# KiCad board KlokTHREEjr_old.kicad_pcb (continued)
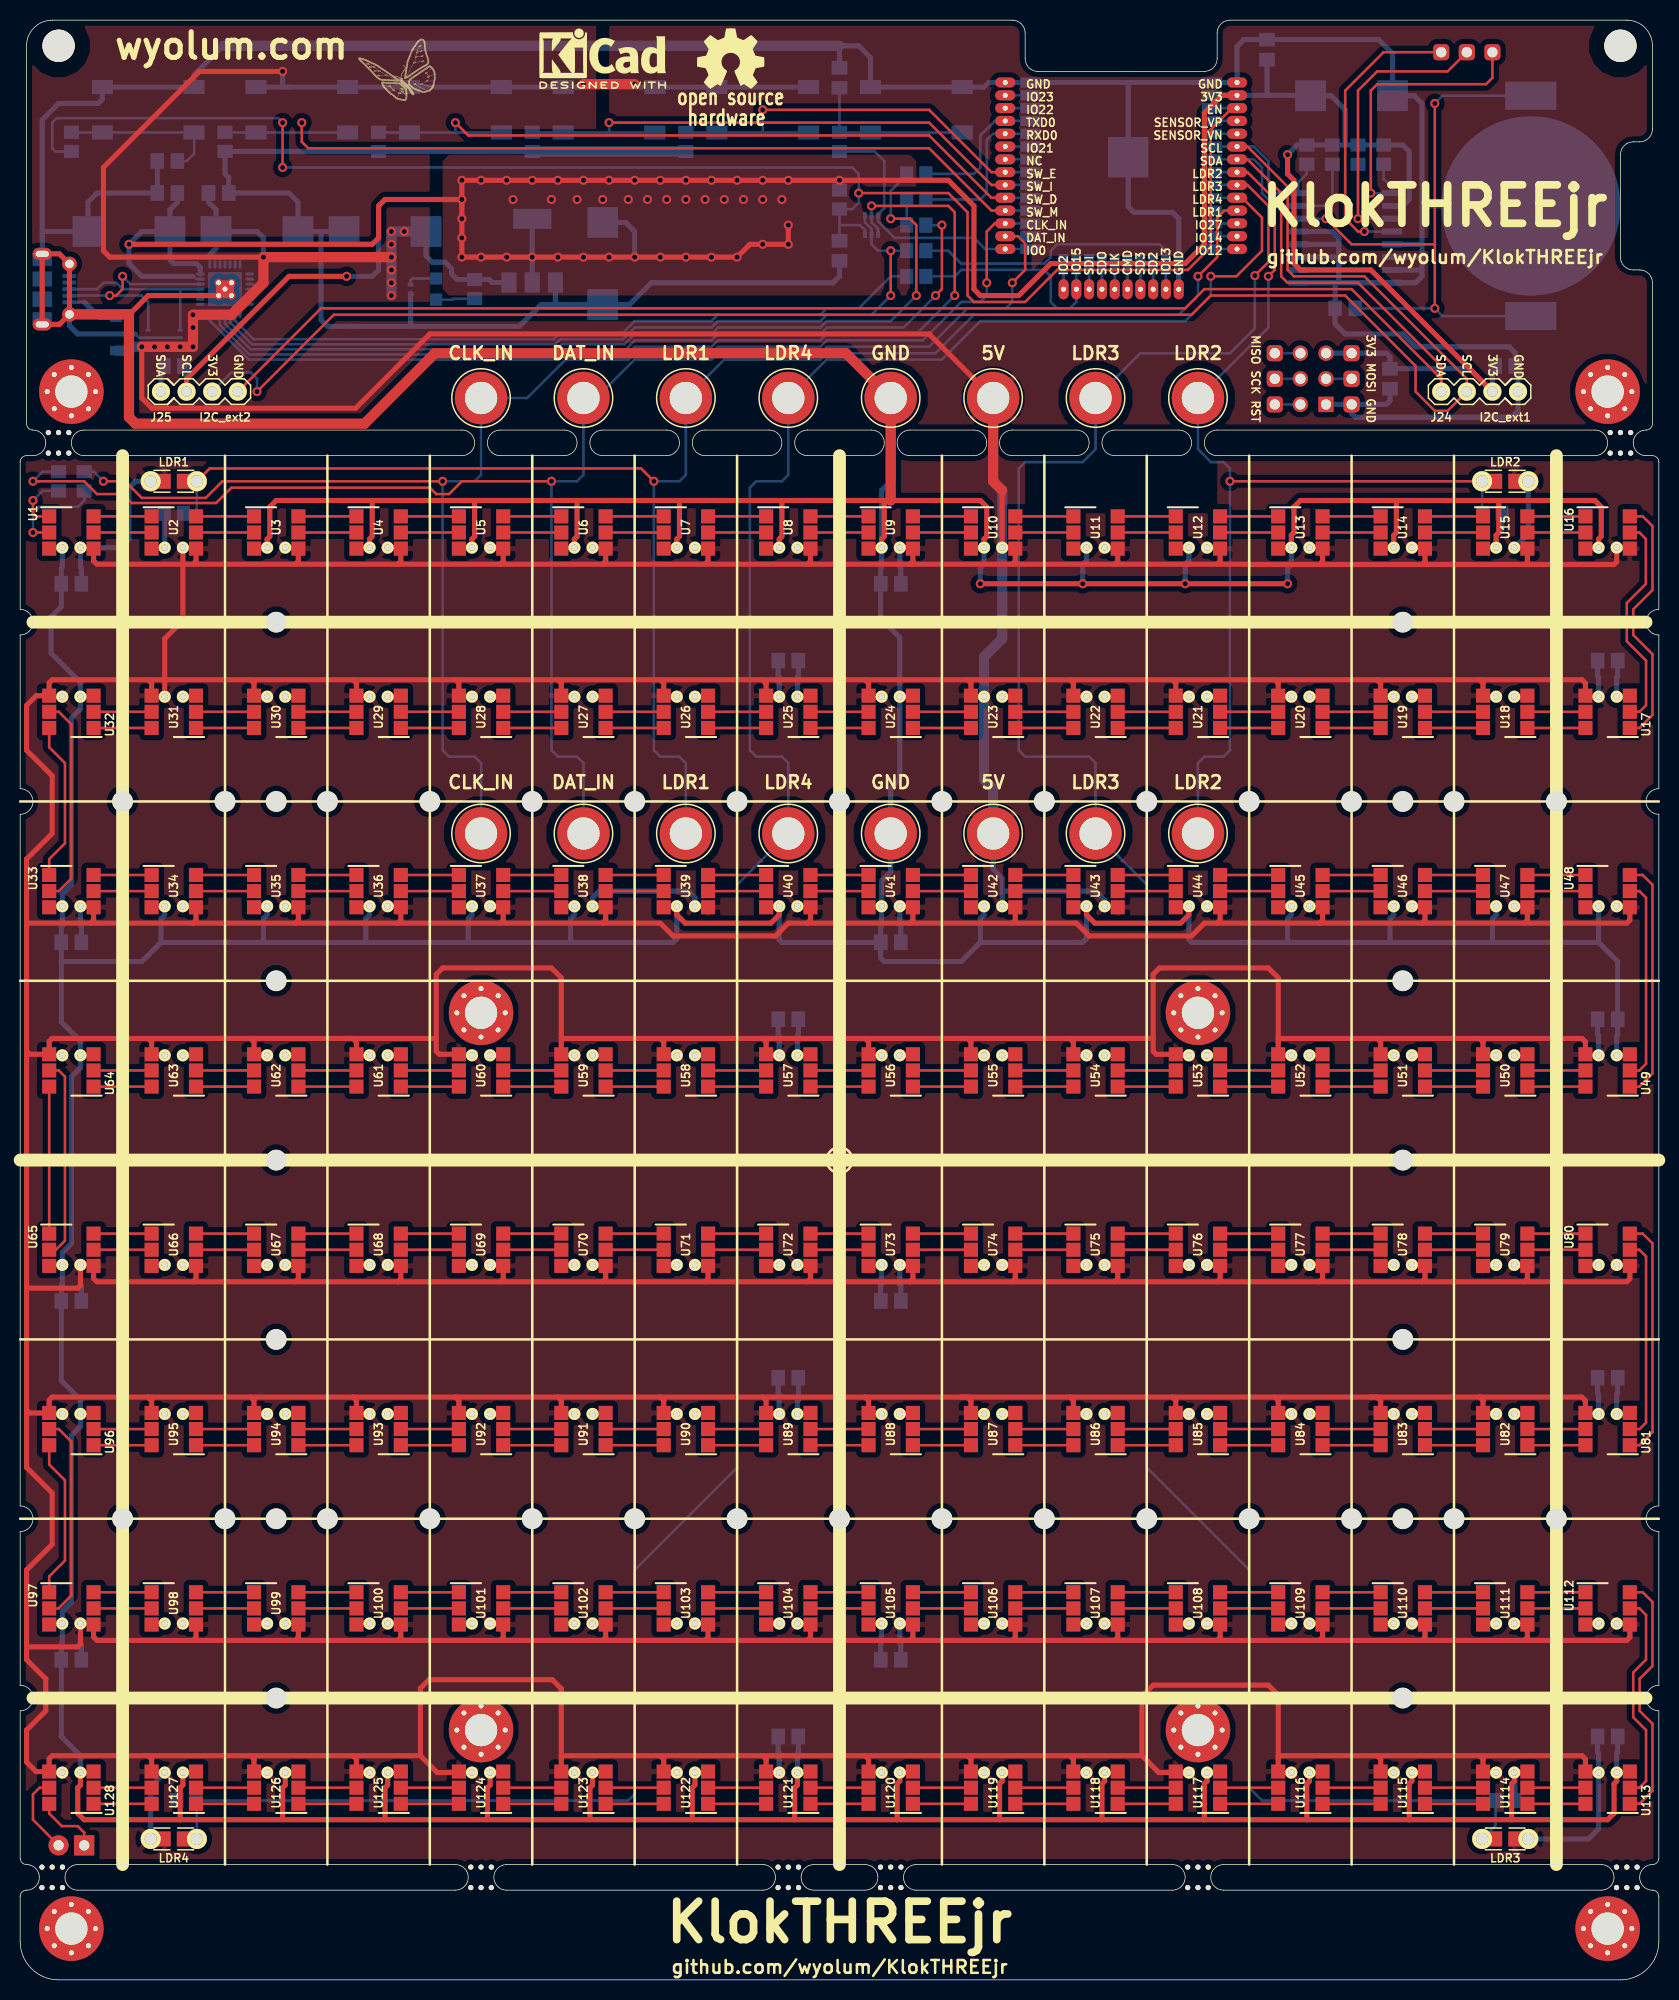
[diagram p0: board, top side]
## Routing (per net, layer and track width the routed paths; a pad name or vN(x,y) marks a point on that pad's centre or on a via; arc(x,y) is an arc through that point) (continued)
/CI_A: length 11
  Top w0.254: v1(1.27,143.51) U1.2
  Bottom w0.254: v1(1.27,143.51) 1.27,145.42 1.91,146.05 5.72,146.05 6.35,146.69 R2.2 6.35,146.73 6.4,146.69
/CI_B: length 21.8
  Top w0.254: U17.2 160.63,125.73 161.29,126.39 161.29,130.81 159.39,132.72 159.39,136.53 161.27,138.41 161.27,142.88 160.63,143.51 U16.5
/CI_C: length 20.7
  Top w0.254: U33.2 3.83,107.95 5.08,109.2 5.08,124.48 3.83,125.73 U32.5
/CI_D: length 20.2
  Top w0.254: U48.5 160.63,107.95 161.29,107.29 161.29,90.83 160.63,90.17 U49.2
/CI_E: length 20
  Top w0.254: U65.2 3.55,72.39 4.45,73.29 4.45,89.56 3.83,90.17 U64.5
/CI_F: length 20.2
  Top w0.254: U81.2 160.66,54.61 161.29,55.25 161.29,71.73 160.63,72.39 U80.5
/CI_G: length 20.7
  Top w0.254: U96.5 3.83,54.61 5.08,53.36 5.08,38.1 3.81,36.83 U97.2
/CI_H: length 21.3
  Top w0.254: U112.5 160.63,36.83 161.29,36.17 161.29,31.75 160.02,30.48 160.02,26.04 161.29,24.77 161.29,19.71 160.63,19.05 U113.2
/CLK: length 2.5
  Bottom w0.254: U129.20 U129.20
/CLK_IN: length 152.4
  Top w0.254: v1(8.26,148.59) 10.41,148.59 12.06,146.94 18.41,146.94 20.07,148.59 v1(41.91,148.59) ; U129.27 96.69,174.16 95.89,173.36 v1(95.89,168.28)
  Bottom w0.254: R2.1 7.3,149.54 v1(8.26,148.59) ; J9.1 45.72,120.65 45.09,121.29 42.54,121.29 41.91,121.92 v1(41.91,148.59) 45.09,148.59 45.72,149.23 J1.1 50.29,156.85 54.1,160.66 60.32,160.66 60.96,161.29 68.58,161.29 69.22,161.93 79.38,161.93 80.01,162.56 89.53,162.56 93.34,166.37 95.25,166.37 95.89,167 v1(95.89,168.28) ; U129.27 U129.27
/CLK_OUT: length 8
  Top w0.254: 3.81,13.34 1.27,15.88 1.27,18.39 1.93,19.05 U128.5
/CMD: length 2.5
  Bottom w0.254: U129.19 U129.19
/DAT_IN: length 167.1
  Top w0.254: U129.26 98.97,172.89 99.7,172.17 99.7,169.55 v1(98.43,168.28) ; v1(1.27,148.59) 6.35,148.59 7.62,147.32 10.16,147.32 11.05,146.43 19.43,146.43 20.96,147.96 40.64,147.96 41.27,147.32 42.54,147.32 43.82,148.59 v1(52.71,148.59)
  Bottom w0.254: v1(1.27,148.59) 2.22,149.54 R1.1 ; v1(1.27,148.59) 5.08,148.59 ; v1(1.27,148.59) 1.91,148.59 ; J10.1 55.88,120.65 55.24,121.29 53.34,121.29 52.71,121.92 v1(52.71,148.59) 55.24,148.59 55.88,149.23 J2.1 57.15,156.85 60.96,160.66 68.58,160.66 69.22,161.29 79.38,161.29 80.01,161.93 90.17,161.93 93.98,165.74 97.79,165.74 98.43,166.37 v1(98.43,168.28) ; U129.26 U129.26
/DAT_OUT: length 6.5
  Top w0.254: U128.6 2.88,16.5 4.14,15.24 5.72,15.24 6.35,14.61 P2.1
/DI_A: length 5.9
  Top w0.254: v1(1.27,146.69) 1.27,145.42 1.58,145.11 U1.1
  Bottom w0.254: v1(1.27,146.69) 2.22,147.64 R1.2
/DI_B: length 25.7
  Top w0.254: U17.1 160.63,124.13 161.93,125.42 161.93,131.44 160.02,133.35 160.02,135.89 161.93,137.8 161.93,144.15 160.96,145.11 U16.6
/DI_C: length 15.9
  Top w0.254: U32.6 2.88,122.22 4.45,120.65 4.45,112.69 2.88,111.12 U33.1
/DI_D: length 24.1
  Top w0.254: U49.1 160.63,88.57 161.93,89.86 161.93,108.59 160.96,109.55 U48.6
/DI_E: length 14.6
  Top w0.254: U64.6 U65.1
/DI_F: length 24.1
  Top w0.254: U80.6 160.96,73.99 161.93,73.03 161.93,54.3 160.63,53.01 U81.1
/DI_G: length 15.9
  Top w0.254: U97.1 2.88,40.01 4.45,41.57 4.45,49.53 2.88,51.1 U96.6
/DI_H: length 25.2
  Top w0.254: U112.6 160.96,38.43 161.93,37.47 161.93,31.12 160.66,29.85 160.66,26.67 161.93,25.4 161.93,18.74 160.63,17.45 U113.1
/DTR: length 98.7
  Top w0.254: v1(84.46,175.9) 92.08,175.9 92.71,175.26 v1(92.71,167)
  Bottom w0.254: Q1.4 85.11,173.62 84.46,174.27 Q1.2 v1(84.46,175.9) ; v1(92.71,167) 88.9,163.19 80.01,163.19 79.38,162.56 69.22,162.56 68.58,161.93 60.96,161.93 60.2,161.16 53.98,161.16 53.47,160.66 22.68,160.66 18.82,164.51 U132.28
/EN: length 164.5
  Top w0.254: U129.3 120.22,185.59 118.11,183.48 118.11,171.82 115.83,169.54 102.87,169.54 99.7,166.37 94.62,166.37 93.98,167 93.98,175.26 92.08,177.17 v1(83.19,177.17) ; v1(26.04,179.71) v1(26.04,184.15)
  Bottom w0.254: 81.92,175.58 82.55,175.58 83.19,176.21 v1(83.19,177.17) 83.19,179.07 82.55,179.71 v1(26.04,179.71) ; U129.3 U129.3 ; R3.2 81.28,173.99 ; 81.28,173.99 C19.1 ; 81.28,173.99 83.31,173.99 83.81,173.5 Q1.6 ; v1(26.04,184.15) 25.59,184.6 3.62,184.6 3.18,184.15 3.18,181.61 3.49,181.29 R16.1
/esp_pwr_uart/CTS: length 70.6
  Bottom w0.254: U132.23 21.32,164.51 23.14,162.69 52.96,162.69 53.47,163.19 59.69,163.19 60.96,164.47 68.58,164.47 69.22,165.1 79.38,165.1 80.01,165.74 83.19,165.74 86.36,168.91 R19.2
/esp_pwr_uart/RTS: length 80.6
  Top w0.254: v1(86.36,171.45) v1(86.36,167)
  Bottom w0.254: Q1.1 83.81,174.27 84.46,173.62 Q1.5 84.46,172.09 85.09,171.45 v1(86.36,171.45) R20.2 ; v1(86.36,167) 84.46,165.1 80.01,165.1 79.38,164.47 69.22,164.47 68.58,163.83 60.96,163.83 59.82,162.69 53.59,162.69 53.09,162.18 22.99,162.18 20.82,164.35 U132.24
/esp_pwr_uart/RXD: length 87.7
  Top w0.254: v1(86.36,174.62) 88.27,174.62 88.9,173.99 v1(88.9,167)
  Bottom w0.254: R21.2 87.95,178.97 86.36,177.38 v1(86.36,174.62) ; U132.25 20.32,164.21 22.86,161.67 53.21,161.67 53.72,162.18 59.94,162.18 60.96,163.19 68.58,163.19 69.22,163.83 79.38,163.83 80.01,164.47 86.36,164.47 v1(88.9,167)
/esp_pwr_uart/TXD: length 2.5
  Bottom w0.254: R23.2 R22.1
/esp_pwr_uart/USB_D+: length 17.6
  Bottom w0.254: 15.88,167.64 10.16,167.64 9.52,168.28 8.26,168.28 7.62,167.64 P1.3 ; 15.88,167.64 D3.2 ; 15.88,167.64 U132.4
/esp_pwr_uart/USB_D-: length 21.7
  Top w0.254: v1(8.89,167) 9.52,167 10.16,167.64 v1(10.16,168.91)
  Bottom w0.254: v1(10.16,168.91) 10.93,168.14 U132.5 ; P1.2 5.82,166.99 5.83,167 v1(8.89,167) 12.06,167 12.7,166.37 D4.2
/IO0: length 27.3
  Bottom w0.254: U129.25 U129.25 95.72,171.62 94.62,172.72 86.74,172.72 85.11,174.36 Q1.3 85.11,175.06 85.72,175.69 85.72,180.34 84.77,181.29 R18.1
/IO2: length 2.5
  Bottom w0.254: U129.24 U129.24
/IO12: length 2.5
  Bottom w0.254: U129.14 U129.14
/IO13: length 29.6
  Bottom w0.254: R20.1 92.08,171.45 93.34,170.18 101.6,170.18 102.24,170.81 102.24,171.45 102.87,172.09 113.03,172.09 113.67,171.45 U129.16 U129.16
/IO14: length 2.5
  Bottom w0.254: U129.13 U129.13
/IO15: length 22.3
  Bottom w0.254: U129.23 U129.23 104.78,166.37 104.14,165.74 102.87,165.74 102.24,166.37 102.24,168.91 101.6,169.55 93.34,169.55 92.71,168.91 R19.1
/IO21: length 2.5
  Bottom w0.254: U129.33 U129.33
/IO22: length 2.5
  Bottom w0.254: U129.36 U129.36
/IO23: length 2.5
  Bottom w0.254: U129.37 U129.37
/IO27: length 2.5
  Bottom w0.254: U129.12 U129.12
/LDR1: length 168.7
  Top w0.254: v1(116.84,168.91) 118.75,170.81 118.75,174.71 119.47,175.43 U129.11 ; v1(62.87,148.59) 61.6,149.86 18.8,149.86 LDR1.2 LDR1.2
  Bottom w0.254: LDR1.2 17.53,145.84 17.1,145.42 R12.1 ; U129.11 U129.11 ; J11.1 66.04,120.65 65.41,121.29 63.5,121.29 62.87,121.92 v1(62.87,148.59) 65.41,148.59 66.04,149.23 J3.1 69.85,160.66 79.38,160.66 80.01,161.29 90.81,161.29 94.62,165.1 114.94,165.1 116.84,167 v1(116.84,168.91)
/LDR2: length 107.4
  Top w0.254: LDR2.2 LDR2.2 v1(120.02,148.59) ; U129.8 121.75,179.24 124.46,176.53 124.46,169.55 v1(123.83,168.91)
  Bottom w0.254: R13.1 145.03,145.48 LDR2.2 ; J12.1 116.84,120.65 117.47,121.29 119.38,121.29 120.02,121.92 v1(120.02,148.59) 120.02,149.86 119.38,150.5 118.11,150.5 116.84,151.77 J4.1 123.83,163.83 v1(123.83,168.91) ; U129.8 U129.8
/LDR3: length 226
  Top w0.254: v1(122.48,168.98) 123.83,170.33 123.83,175.9 121.75,177.97 U129.9 ; LDR3.2 LDR3.2
  Bottom w0.254: LDR3.2 146.37,15.3 R14.1 123.19,17.78 121.92,19.05 121.92,40.64 111.76,50.8 111.76,108.59 J13.1 106.68,120.65 106.05,121.29 99.7,121.29 99.06,121.92 99.06,149.86 99.7,150.5 105.41,150.5 106.68,151.77 J5.1 111.12,161.29 120.02,161.29 122.48,163.76 v1(122.48,168.98) ; U129.9 U129.9
/LDR4: length 263
  Top w0.254: U129.10 121.22,176.7 123.19,174.73 123.19,171.45 120.65,168.91 v1(118.11,168.91) ; LDR4.2 LDR4.2
  Bottom w0.254: LDR4.2 17.53,17.72 R15.1 60.32,17.78 60.96,18.42 60.96,40.64 71.12,50.8 71.12,108.59 J14.1 76.2,120.65 75.56,121.29 73.03,121.29 72.39,121.92 72.39,147.96 73.03,148.59 75.56,148.59 76.2,149.23 J6.1 80.01,160.66 91.44,160.66 95.25,164.46 115.57,164.46 118.11,167 v1(118.11,168.91) ; U129.10 U129.10
/MISO: length 2.5
  Bottom w0.254: J20.1 J17.1
/MOSI: length 2.5
  Bottom w0.254: J20.4 J21.1
/NC: length 2.5
  Bottom w0.254: U129.32 U129.32
/RST: length 2.5
  Bottom w0.254: J20.5 J22.1
/rtc_ds3231/32kHz: length 30.6
  Top w0.254: TP3.1 146.05,188.6 145.42,187.96 134.62,187.96 133.99,187.33 v1(133.99,177.17)
  Bottom w0.254: v1(133.99,177.17) U130.1 136.1,177.72 135.25,178.56 R7.2
/rtc_ds3231/BAT: length 62.5
  Top w0.254: v1(140.34,186.06) 140.34,172.09 ; 140.34,172.09 v1(140.34,165.74) ; 140.34,172.09 132.08,172.09 v1(129.54,174.62)
  Bottom w0.254: U130.14 v1(129.54,174.62) ; BT1.1 141.1,164.97 v1(140.34,165.74) C22.1 ; 149.86,186.82 141.1,186.82 v1(140.34,186.06)
/rtc_ds3231/RESET: length 29
  Top w0.254: v1(133.35,173.36) 132.72,173.36 131.45,174.62 131.45,187.33 135.25,191.14 TP1.1
  Bottom w0.254: U130.4 v1(133.35,173.36)
/rtc_ds3231/SQR: length 33.9
  Top w0.254: v1(132.72,174.62) 132.72,187.33 134.62,189.23 141.61,189.23 TP2.1
  Bottom w0.254: U130.3 v1(132.72,174.62) R6.2
/RXD0: length 16.1
  Bottom w0.254: U129.34 U129.34 96.52,183.05 95.89,182.42 95.89,177.17 95.25,176.53 R23.1
/SCK: length 2.5
  Bottom w0.254: J20.3 J19.1
/SCL: length 191.4
  Top w0.254: v1(23.49,157.48) 31.12,165.1 116.21,165.1 118.11,167 131.45,167 138.43,160.02 138.43,157.48 140.34,155.58 141.61,155.58 143.51,157.48 143.51,158.75 133.35,168.91 126.37,168.91 125.73,169.55 125.73,177.8 121.75,181.78 U129.6
  Bottom w0.254: v1(23.49,157.48) 23.49,158.75 22.86,159.39 20.96,159.39 19.05,157.48 ; U129.6 U129.6 122.39,181.78 123.83,180.34 123.83,177.8 124.46,177.17 U130.16 126.79,178.23 127.64,179.07 R8.2
/SD2: length 2.5
  Bottom w0.254: U129.17 U129.17
/SD3: length 2.5
  Bottom w0.254: U129.18 U129.18
/SDA: length 184.5
  Top w0.254: U129.7 121.75,180.51 125.09,177.17 125.09,168.91 125.73,168.28 132.72,168.28 140.97,160.02 J24.1 140.97,158.75 132.08,167.64 117.47,167.64 115.57,165.74 29.85,165.74 J25.1
  Bottom w0.254: U130.15 129.54,175.9 130.18,176.53 R9.2 ; U130.15 126.09,175.9 ; U130.15 124.46,175.9 123.19,177.17 123.19,179.71 122.39,180.51 U129.7 U129.7
/SDI: length 2.5
  Bottom w0.254: U129.22 U129.22
/SDO: length 2.5
  Bottom w0.254: U129.21 U129.21
/SENSOR_VN: length 2.5
  Bottom w0.254: U129.5 U129.5
/SENSOR_VP: length 2.5
  Bottom w0.254: U129.4 U129.4
/SW_D: length 73.3
  Top w0.254: U129.29 96.35,176.7 90.17,182.88 44.45,182.88 v1(43.18,184.15)
  Bottom w0.254: R24.1 35.59,183.17 S5.2 43.18,183.17 ; 43.18,183.17 v1(43.18,184.15) ; 43.18,183.17 S5.4 ; U129.29 U129.29
/SW_E: length 43.6
  Top w0.254: v1(73.66,185.42) 90.17,185.42 96.35,179.24 U129.31
  Bottom w0.254: U129.31 U129.31 ; R10.1 66.07,183.17 S1.2 73.66,183.17 ; v1(73.66,185.42) 73.66,183.17 ; 73.66,183.17 S1.4
/SW_I: length 57.5
  Top w0.254: v1(58.42,184.15) 90.17,184.15 96.35,177.97 U129.30
  Bottom w0.254: 58.42,183.17 S2.2 50.83,183.17 R11.1 ; 58.42,183.17 v1(58.42,184.15) ; 58.42,183.17 62.97,183.17 ; U129.30 U129.30
/SW_M: length 90.2
  Top w0.254: U129.28 96.35,175.43 90.17,181.61 28.57,181.61 27.94,182.25 v1(27.94,184.15)
  Bottom w0.254: S6.4 27.94,183.17 ; 27.94,183.17 S6.2 20.35,183.17 R25.1 ; 27.94,183.17 v1(27.94,184.15) ; U129.28 U129.28
/TXD0: length 14.4
  Bottom w0.254: R21.1 94.62,179.07 95.25,179.71 95.25,182.88 96.69,184.32 U129.35 U129.35
Net-(C20-Pad1): length 16.2
  Bottom w0.254: C20.1 16.53,180.34 17.25,181.06 S3.1 S3.3 5.11,183.17 R16.2
Net-(C21-Pad1): length 16.6
  Bottom w0.254: S4.1 S4.3 81.31,183.17 R18.2 C21.1
Net-(D1-Pad1): length 5.3
  Bottom w0.254: 6.35,166.37 5.85,166.37 5.82,166.34 P1.1
  Bottom w0.508: 6.35,166.37 7.88,164.85 D1.1
Net-(D2-Pad1): length 3.8
  Bottom w0.254: D2.1 42.89,166.59 42.99,166.69 R4.2
Net-(D2-Pad2): length 3.1
  Bottom w0.254: JP1.2 38.74,168.54 38.88,168.69 D2.2
Net-(R22-Pad2): length 84.6
  Top w0.254: v1(90.81,167) 91.44,167.64 v1(91.44,173.99)
  Bottom w0.254: v1(90.81,167) 87.63,163.83 80.01,163.83 79.38,163.19 69.22,163.19 68.58,162.56 60.96,162.56 60.07,161.67 53.85,161.67 53.34,161.16 22.73,161.16 19.82,164.08 U132.26 ; v1(91.44,173.99) R22.2
Net-(U1-Pad5): length 5.8
  Top w0.254: U1.5 U2.2
Net-(U1-Pad6): length 5.8
  Top w0.254: U1.6 U2.1
Net-(U2-Pad5): length 5.8
  Top w0.254: U2.5 U3.2
Net-(U2-Pad6): length 5.8
  Top w0.254: U2.6 U3.1
Net-(U3-Pad5): length 5.8
  Top w0.254: U3.5 U4.2
Net-(U3-Pad6): length 5.8
  Top w0.254: U3.6 U4.1
Net-(U4-Pad5): length 5.8
  Top w0.254: U4.5 U5.2
Net-(U4-Pad6): length 5.8
  Top w0.254: U4.6 U5.1
Net-(U5-Pad5): length 5.8
  Top w0.254: 47.92,143.51 U6.2
Net-(U5-Pad6): length 5.8
  Top w0.254: 47.92,145.11 U6.1
Net-(U6-Pad5): length 5.8
  Top w0.254: U6.5 U7.2
Net-(U6-Pad6): length 5.8
  Top w0.254: U6.6 U7.1
Net-(U7-Pad5): length 5.8
  Top w0.254: U7.5 U8.2
Net-(U7-Pad6): length 5.8
  Top w0.254: U7.6 U8.1
Net-(U8-Pad5): length 5.8
  Top w0.254: U8.5 84.16,143.51
Net-(U8-Pad6): length 5.8
  Top w0.254: U8.6 84.16,145.11
Net-(U10-Pad1): length 5.8
  Top w0.254: U9.6 U10.1
Net-(U10-Pad2): length 5.8
  Top w0.254: U9.5 U10.2
Net-(U10-Pad5): length 5.8
  Top w0.254: U10.5 U11.2
Net-(U10-Pad6): length 5.8
  Top w0.254: U10.6 U11.1
Net-(U11-Pad5): length 5.8
  Top w0.254: U11.5 U12.2
Net-(U11-Pad6): length 5.8
  Top w0.254: U11.6 U12.1
Net-(U12-Pad5): length 5.8
  Top w0.254: U12.5 U13.2
Net-(U12-Pad6): length 5.8
  Top w0.254: U12.6 U13.1
Net-(U13-Pad5): length 5.8
  Top w0.254: U13.5 U14.2
Net-(U13-Pad6): length 5.8
  Top w0.254: U13.6 U14.1
Net-(U14-Pad5): length 5.8
  Top w0.254: U14.5 145.12,143.51
Net-(U14-Pad6): length 5.8
  Top w0.254: U14.6 145.12,145.11
Net-(U15-Pad5): length 5.8
  Top w0.254: U15.5 155.28,143.51
Net-(U15-Pad6): length 5.8
  Top w0.254: U15.6 155.28,145.11
Net-(U17-Pad5): length 5.8
  Top w0.254: U18.2 155.28,125.73
Net-(U17-Pad6): length 5.8
  Top w0.254: 155.28,124.13 U18.1
Net-(U18-Pad5): length 5.8
  Top w0.254: U19.2 145.12,125.73
Net-(U18-Pad6): length 5.8
  Top w0.254: 145.12,124.13 U19.1
Net-(U19-Pad5): length 5.8
  Top w0.254: U20.2 U19.5
Net-(U19-Pad6): length 5.8
  Top w0.254: U19.6 U20.1
Net-(U20-Pad5): length 5.8
  Top w0.254: U21.2 U20.5
Net-(U20-Pad6): length 5.8
  Top w0.254: U20.6 U21.1
Net-(U21-Pad5): length 5.8
  Top w0.254: U22.2 U21.5
Net-(U21-Pad6): length 5.8
  Top w0.254: U21.6 U22.1
Net-(U22-Pad5): length 5.8
  Top w0.254: U23.2 U22.5
Net-(U22-Pad6): length 5.8
  Top w0.254: U22.6 U23.1
Net-(U23-Pad5): length 5.8
  Top w0.254: U24.2 U23.5
Net-(U23-Pad6): length 5.8
  Top w0.254: U23.6 U24.1
Net-(U24-Pad5): length 5.8
  Top w0.254: U25.2 84.16,125.73
Net-(U24-Pad6): length 5.8
  Top w0.254: 84.16,124.13 U25.1
Net-(U25-Pad5): length 5.8
  Top w0.254: U26.2 U25.5
Net-(U25-Pad6): length 5.8
  Top w0.254: U25.6 U26.1
Net-(U26-Pad5): length 5.8
  Top w0.254: U27.2 U26.5
Net-(U26-Pad6): length 5.8
  Top w0.254: U26.6 U27.1
Net-(U27-Pad5): length 5.8
  Top w0.254: 47.92,125.73 U27.5
Net-(U27-Pad6): length 5.8
  Top w0.254: U27.6 47.92,124.13
Net-(U28-Pad5): length 5.8
  Top w0.254: U29.2 U28.5
Net-(U28-Pad6): length 5.8
  Top w0.254: U28.6 U29.1
Net-(U29-Pad5): length 5.8
  Top w0.254: U30.2 U29.5
Net-(U29-Pad6): length 5.8
  Top w0.254: U29.6 U30.1
Net-(U30-Pad5): length 5.8
  Top w0.254: U31.2 U30.5
Net-(U30-Pad6): length 5.8
  Top w0.254: U30.6 U31.1
Net-(U31-Pad5): length 5.8
  Top w0.254: U32.2 U31.5
Net-(U31-Pad6): length 5.8
  Top w0.254: U31.6 U32.1
Net-(U33-Pad5): length 5.8
  Top w0.254: U33.5 U34.2
Net-(U33-Pad6): length 5.8
  Top w0.254: U33.6 U34.1
Net-(U34-Pad5): length 5.8
  Top w0.254: U35.2 U34.5
Net-(U34-Pad6): length 5.8
  Top w0.254: U34.6 U35.1
Net-(U35-Pad5): length 5.8
  Top w0.254: U36.2 U35.5
Net-(U35-Pad6): length 5.8
  Top w0.254: U35.6 U36.1
Net-(U36-Pad5): length 5.8
  Top w0.254: U36.5 U37.2
Net-(U36-Pad6): length 5.8
  Top w0.254: U36.6 U37.1
Net-(U37-Pad5): length 5.8
  Top w0.254: U38.2 47.92,107.95
Net-(U37-Pad6): length 5.8
  Top w0.254: 47.92,109.55 U38.1
Net-(U38-Pad5): length 5.8
  Top w0.254: U39.2 U38.5
Net-(U38-Pad6): length 5.8
  Top w0.254: U38.6 U39.1
Net-(U39-Pad5): length 5.8
  Top w0.254: U40.2 U39.5
Net-(U39-Pad6): length 5.8
  Top w0.254: U39.6 U40.1
Net-(U40-Pad5): length 5.8
  Top w0.254: 84.16,107.95 U40.5
Net-(U40-Pad6): length 5.8
  Top w0.254: U40.6 84.16,109.55
Net-(U41-Pad5): length 5.8
  Top w0.254: U42.2 U41.5
Net-(U41-Pad6): length 5.8
  Top w0.254: U41.6 U42.1
Net-(U42-Pad5): length 5.8
  Top w0.254: U43.2 U42.5
Net-(U42-Pad6): length 5.8
  Top w0.254: U42.6 U43.1
Net-(U43-Pad5): length 5.8
  Top w0.254: U44.2 U43.5
Net-(U43-Pad6): length 5.8
  Top w0.254: U43.6 U44.1
Net-(U44-Pad5): length 5.8
  Top w0.254: U44.5 U45.2
Net-(U44-Pad6): length 5.8
  Top w0.254: U44.6 U45.1
Net-(U45-Pad5): length 5.8
  Top w0.254: U46.2 U45.5
Net-(U45-Pad6): length 5.8
  Top w0.254: U45.6 U46.1
Net-(U46-Pad5): length 5.8
  Top w0.254: 145.12,107.95 U46.5
Net-(U46-Pad6): length 5.8
  Top w0.254: U46.6 145.12,109.55
Net-(U47-Pad5): length 5.8
  Top w0.254: 155.28,107.95 U47.5
Net-(U47-Pad6): length 5.8
  Top w0.254: U47.6 155.28,109.55
Net-(U49-Pad5): length 5.8
  Top w0.254: U50.2 155.28,90.17
Net-(U49-Pad6): length 5.8
  Top w0.254: 155.28,88.57 U50.1
Net-(U50-Pad5): length 5.8
  Top w0.254: U51.2 145.12,90.17
Net-(U50-Pad6): length 5.8
  Top w0.254: 145.12,88.57 U51.1
Net-(U51-Pad5): length 5.8
  Top w0.254: U52.2 U51.5
Net-(U51-Pad6): length 5.8
  Top w0.254: U51.6 U52.1
Net-(U52-Pad5): length 5.8
  Top w0.254: U53.2 U52.5
Net-(U52-Pad6): length 5.8
  Top w0.254: U52.6 U53.1
Net-(U53-Pad5): length 5.8
  Top w0.254: U54.2 U53.5
Net-(U53-Pad6): length 5.8
  Top w0.254: U53.6 U54.1
Net-(U54-Pad5): length 5.8
  Top w0.254: U55.2 U54.5
Net-(U54-Pad6): length 5.8
  Top w0.254: U54.6 U55.1
Net-(U55-Pad5): length 5.8
  Top w0.254: U56.2 U55.5
Net-(U55-Pad6): length 5.8
  Top w0.254: U55.6 U56.1
Net-(U56-Pad5): length 5.8
  Top w0.254: U57.2 84.16,90.17
Net-(U56-Pad6): length 5.8
  Top w0.254: 84.16,88.57 U57.1
Net-(U57-Pad5): length 5.8
  Top w0.254: U58.2 U57.5
Net-(U57-Pad6): length 5.8
  Top w0.254: U57.6 U58.1
Net-(U58-Pad5): length 5.8
  Top w0.254: U59.2 U58.5
Net-(U58-Pad6): length 5.8
  Top w0.254: U58.6 U59.1
Net-(U59-Pad5): length 5.8
  Top w0.254: 47.92,90.17 U59.5
Net-(U59-Pad6): length 5.8
  Top w0.254: U59.6 47.92,88.57
Net-(U60-Pad5): length 5.8
  Top w0.254: U61.2 U60.5
Net-(U60-Pad6): length 5.8
  Top w0.254: U60.6 U61.1
Net-(U61-Pad5): length 5.8
  Top w0.254: U62.2 U61.5
Net-(U61-Pad6): length 5.8
  Top w0.254: U61.6 U62.1
Net-(U62-Pad5): length 5.8
  Top w0.254: U63.2 U62.5
Net-(U62-Pad6): length 5.8
  Top w0.254: U62.6 U63.1
Net-(U63-Pad5): length 5.8
  Top w0.254: U64.2 U63.5
Net-(U63-Pad6): length 5.8
  Top w0.254: U63.6 U64.1
Net-(U65-Pad5): length 5.8
  Top w0.254: U66.2 U65.5
Net-(U65-Pad6): length 5.8
  Top w0.254: U65.6 U66.1
Net-(U66-Pad5): length 5.8
  Top w0.254: U67.2 U66.5
Net-(U66-Pad6): length 5.8
  Top w0.254: U66.6 U67.1
Net-(U67-Pad5): length 5.8
  Top w0.254: U68.2 U67.5
Net-(U67-Pad6): length 5.8
  Top w0.254: U67.6 U68.1
Net-(U68-Pad5): length 5.8
  Top w0.254: U69.2 U68.5
Net-(U68-Pad6): length 5.8
  Top w0.254: U68.6 U69.1
Net-(U69-Pad5): length 5.8
  Top w0.254: U70.2 47.92,72.39
Net-(U69-Pad6): length 5.8
  Top w0.254: 47.92,73.99 U70.1
Net-(U70-Pad5): length 5.8
  Top w0.254: U71.2 U70.5
Net-(U70-Pad6): length 5.8
  Top w0.254: U70.6 U71.1
Net-(U71-Pad5): length 5.8
  Top w0.254: U72.2 U71.5
Net-(U71-Pad6): length 5.8
  Top w0.254: U71.6 U72.1
Net-(U72-Pad5): length 5.8
  Top w0.254: 84.16,72.39 U72.5
Net-(U72-Pad6): length 5.8
  Top w0.254: U72.6 84.16,73.99
Net-(U73-Pad5): length 5.8
  Top w0.254: U74.2 U73.5
Net-(U73-Pad6): length 5.8
  Top w0.254: U73.6 U74.1
Net-(U74-Pad5): length 5.8
  Top w0.254: U75.2 U74.5
Net-(U74-Pad6): length 5.8
  Top w0.254: U74.6 U75.1
Net-(U75-Pad5): length 5.8
  Top w0.254: U76.2 U75.5
Net-(U75-Pad6): length 5.8
  Top w0.254: U75.6 U76.1
Net-(U76-Pad5): length 5.8
  Top w0.254: U77.2 U76.5
Net-(U76-Pad6): length 5.8
  Top w0.254: U76.6 U77.1
Net-(U77-Pad5): length 5.8
  Top w0.254: U78.2 U77.5
Net-(U77-Pad6): length 5.8
  Top w0.254: U77.6 U78.1
Net-(U78-Pad5): length 5.8
  Top w0.254: 145.12,72.39 U78.5
Net-(U78-Pad6): length 5.8
  Top w0.254: U78.6 145.12,73.99
Net-(U79-Pad5): length 5.8
  Top w0.254: 155.28,72.39 U79.5
Net-(U79-Pad6): length 5.8
  Top w0.254: U79.6 155.28,73.99
Net-(U81-Pad5): length 5.8
  Top w0.254: U82.2 155.28,54.61
Net-(U81-Pad6): length 5.8
  Top w0.254: 155.28,53.01 U82.1
Net-(U82-Pad5): length 5.8
  Top w0.254: U83.2 145.12,54.61
Net-(U82-Pad6): length 5.8
  Top w0.254: 145.12,53.01 U83.1
Net-(U83-Pad5): length 5.8
  Top w0.254: U84.2 U83.5
Net-(U83-Pad6): length 5.8
  Top w0.254: U83.6 U84.1
Net-(U84-Pad5): length 5.8
  Top w0.254: U85.2 U84.5
Net-(U84-Pad6): length 5.8
  Top w0.254: U84.6 U85.1
Net-(U85-Pad5): length 5.8
  Top w0.254: U86.2 U85.5
Net-(U85-Pad6): length 5.8
  Top w0.254: U85.6 U86.1
Net-(U86-Pad5): length 5.8
  Top w0.254: U87.2 U86.5
Net-(U86-Pad6): length 5.8
  Top w0.254: U86.6 U87.1
Net-(U87-Pad5): length 5.8
  Top w0.254: U88.2 U87.5
Net-(U87-Pad6): length 5.8
  Top w0.254: U87.6 U88.1
Net-(U88-Pad5): length 5.8
  Top w0.254: U89.2 84.16,54.61
Net-(U88-Pad6): length 5.8
  Top w0.254: 84.16,53.01 U89.1
Net-(U89-Pad5): length 5.8
  Top w0.254: U90.2 U89.5
Net-(U89-Pad6): length 5.8
  Top w0.254: U89.6 U90.1
Net-(U90-Pad5): length 5.8
  Top w0.254: U91.2 U90.5
Net-(U90-Pad6): length 5.8
  Top w0.254: U90.6 U91.1
Net-(U91-Pad5): length 5.8
  Top w0.254: 47.92,54.61 U91.5
Net-(U91-Pad6): length 5.8
  Top w0.254: U91.6 47.92,53.01
Net-(U92-Pad5): length 5.8
  Top w0.254: U93.2 U92.5
Net-(U92-Pad6): length 5.8
  Top w0.254: U92.6 U93.1
Net-(U93-Pad5): length 5.8
  Top w0.254: U94.2 U93.5
Net-(U93-Pad6): length 5.8
  Top w0.254: U93.6 U94.1
Net-(U94-Pad5): length 5.8
  Top w0.254: U95.2 U94.5
Net-(U94-Pad6): length 5.8
  Top w0.254: U94.6 U95.1
Net-(U95-Pad5): length 5.8
  Top w0.254: U96.2 U95.5
Net-(U95-Pad6): length 5.8
  Top w0.254: U95.6 U96.1
Net-(U97-Pad5): length 5.8
  Top w0.254: U98.2 U97.5
Net-(U97-Pad6): length 5.8
  Top w0.254: U97.6 U98.1
Net-(U98-Pad5): length 5.8
  Top w0.254: U99.2 U98.5
Net-(U98-Pad6): length 5.8
  Top w0.254: U98.6 U99.1
Net-(U100-Pad1): length 5.8
  Top w0.254: U99.6 U100.1
Net-(U100-Pad2): length 5.8
  Top w0.254: U100.2 U99.5
Net-(U100-Pad5): length 5.8
  Top w0.254: U101.2 U100.5
Net-(U100-Pad6): length 5.8
  Top w0.254: U100.6 U101.1
Net-(U101-Pad5): length 5.8
  Top w0.254: U102.2 47.92,36.83
Net-(U101-Pad6): length 5.8
  Top w0.254: 47.92,38.43 U102.1
Net-(U102-Pad5): length 5.8
  Top w0.254: U103.2 U102.5
Net-(U102-Pad6): length 5.8
  Top w0.254: U102.6 U103.1
Net-(U103-Pad5): length 5.8
  Top w0.254: U103.5 U104.2
Net-(U103-Pad6): length 5.8
  Top w0.254: U103.6 U104.1
Net-(U104-Pad5): length 5.8
  Top w0.254: 84.16,36.83 U104.5
Net-(U104-Pad6): length 5.8
  Top w0.254: U104.6 84.16,38.43
Net-(U105-Pad5): length 5.8
  Top w0.254: U106.2 U105.5
Net-(U105-Pad6): length 5.8
  Top w0.254: U105.6 U106.1
Net-(U106-Pad5): length 5.8
  Top w0.254: U107.2 U106.5
Net-(U106-Pad6): length 5.8
  Top w0.254: U106.6 U107.1
Net-(U107-Pad5): length 5.8
  Top w0.254: U108.2 U107.5
Net-(U107-Pad6): length 5.8
  Top w0.254: U107.6 U108.1
Net-(U108-Pad5): length 5.8
  Top w0.254: U109.2 U108.5
Net-(U108-Pad6): length 5.8
  Top w0.254: U108.6 U109.1
Net-(U109-Pad5): length 5.8
  Top w0.254: U110.2 U109.5
Net-(U109-Pad6): length 5.8
  Top w0.254: U109.6 U110.1
Net-(U110-Pad5): length 5.8
  Top w0.254: 145.12,36.83 U110.5
Net-(U110-Pad6): length 5.8
  Top w0.254: U110.6 145.12,38.43
Net-(U111-Pad5): length 5.8
  Top w0.254: 155.28,36.83 U111.5
Net-(U111-Pad6): length 5.8
  Top w0.254: U111.6 155.28,38.43
Net-(U113-Pad5): length 5.8
  Top w0.254: U114.2 155.28,19.05
Net-(U113-Pad6): length 5.8
  Top w0.254: 155.28,17.45 U114.1
Net-(U114-Pad5): length 5.8
  Top w0.254: U115.2 145.12,19.05
Net-(U114-Pad6): length 5.8
  Top w0.254: 145.12,17.45 U115.1
Net-(U115-Pad5): length 5.8
  Top w0.254: U116.2 U115.5
Net-(U115-Pad6): length 5.8
  Top w0.254: U115.6 U116.1
Net-(U116-Pad5): length 5.8
  Top w0.254: U117.2 U116.5
Net-(U116-Pad6): length 5.8
  Top w0.254: U116.6 U117.1
Net-(U117-Pad5): length 5.8
  Top w0.254: U118.2 U117.5
Net-(U117-Pad6): length 5.8
  Top w0.254: U117.6 U118.1
Net-(U118-Pad5): length 5.8
  Top w0.254: U119.2 U118.5
Net-(U118-Pad6): length 5.8
  Top w0.254: U118.6 U119.1
Net-(U119-Pad5): length 5.8
  Top w0.254: U120.2 U119.5
Net-(U119-Pad6): length 5.8
  Top w0.254: U119.6 U120.1
Net-(U120-Pad5): length 5.8
  Top w0.254: U121.2 84.16,19.05
Net-(U120-Pad6): length 5.8
  Top w0.254: 84.16,17.45 U121.1
Net-(U121-Pad5): length 5.8
  Top w0.254: U122.2 U121.5
Net-(U121-Pad6): length 5.8
  Top w0.254: U121.6 U122.1
Net-(U122-Pad5): length 5.8
  Top w0.254: U123.2 U122.5
Net-(U122-Pad6): length 5.8
  Top w0.254: U122.6 U123.1
Net-(U123-Pad5): length 5.8
  Top w0.254: 47.92,19.05 U123.5
Net-(U123-Pad6): length 5.8
  Top w0.254: U123.6 47.92,17.45
Net-(U124-Pad5): length 5.8
  Top w0.254: U125.2 U124.5
Net-(U124-Pad6): length 5.8
  Top w0.254: U124.6 U125.1
Net-(U125-Pad5): length 5.8
  Top w0.254: U126.2 U125.5
Net-(U125-Pad6): length 5.8
  Top w0.254: U125.6 U126.1
Net-(U126-Pad5): length 5.8
  Top w0.254: U127.2 U126.5
Net-(U126-Pad6): length 5.8
  Top w0.254: U126.6 U127.1
Net-(U127-Pad5): length 5.8
  Top w0.254: U128.2 U127.5
Net-(U127-Pad6): length 5.8
  Top w0.254: U127.6 U128.1

## Copper pours and planes (outline as drawn; the poured copper is in the pictures)
/3V3 on Top: 41.91,167 41.91,180.98 88.9,180.98 88.9,167
/3V3 on Bottom: 34.93,169.55 34.93,179.07 76.84,179.07 76.84,169.55
/5V on Top: -1.27,196.22 57.15,196.22 57.15,181.61 40.64,181.61 40.64,165.74 90.17,165.74 90.17,181.61 58.42,181.61 58.42,196.22 163.83,196.22 163.83,153.04 -1.27,153.04
/5V on Top: -1.27,151.77 163.83,151.77 163.83,-0.63 -1.27,-0.63
GND on Bottom: -0.63,196.22 57.79,196.22 57.79,180.34 33.65,180.34 33.65,168.91 78.11,168.91 78.11,180.34 59.05,180.34 59.05,196.22 163.2,196.22 163.2,153.04 -0.63,153.04
GND on Bottom: -0.63,151.77 163.2,151.77 163.2,-0.63 -0.63,-0.63

## Text on the board
B.SilkS: CONNECT MOAR / LEDS HERE | DAT|CLK | GND / 3V3 / SCL / SDA | open source | hardware | CLK_IN | DAT_IN | LDR1 | LDR4 | To avoid damaging tracks, do not snap off. / Use hacksaw to separate boards if required. | GND | 5V | LDR3 | LDR2 | github.com/wyolum/KlokTHREEjr | wyolum.com | KlokTHREEjr
F.SilkS: GND | IO23 | IO22 | TXD0 | RXD0 | IO21 | NC | SW_E | SW_I | SW_D | SW_M | CLK_IN | DAT_IN | IO0 | 3V3 | EN | SENSOR_VP | SENSOR_VN | SCL | SDA | LDR2 | LDR3 | LDR4 | LDR1 | IO27 | IO14 | IO12 | IO2 | IO15 | SDI | SDO | CLK | CMD | SD3 | SD2 | IO13 | GND / 3V3 / SCL / SDA | MISO SCK RST | 3V3 MOSI GND | hardware | open source | 5V | github.com/wyolum/KlokTHREEjr | wyolum.com | KlokTHREEjr
